# KiCad board panel_rp2350_20x20_temp.kicad_pcb (continued)
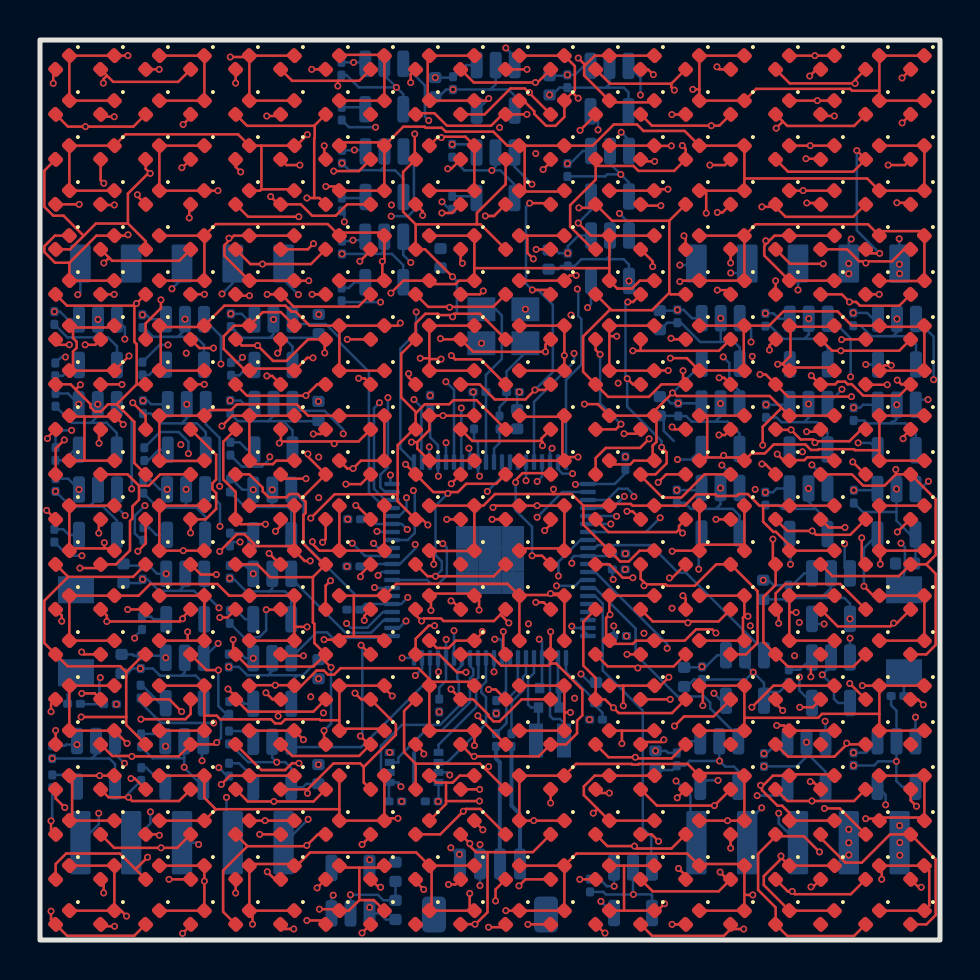
[diagram p0: board, top side]
## Routing (per net, layer and track width the routed paths; a pad name or vN(x,y) marks a point on that pad's centre or on a via; arc(x,y) is an arc through that point) (continued)
  Bottom w0.127: v1(18.81,31.4) 18.81,30.36 18.02,29.57 18.02,24.58 U2.21 ; 23.73,43.74 23.73,44.16 v1(23.29,44.6)
/drivers/ROW_MCU_01: length 28.1
  In3.Cu w0.127: v1(18.7,27.02) 18.7,27.6 19.5,28.4 19.5,37.14 v1(22.98,40.62)
  In4.Cu w0.127: v1(22.98,40.62) 26.6,40.62 28.23,42.25 v1(30.02,42.25)
  Bottom w0.127: U24.3 30.02,43.11 v1(30.02,42.25) ; v1(18.7,27.02) 19.07,26.65 19.07,23.93 U2.22
/drivers/ROW_MCU_02: length 23.6
  In3.Cu w0.127: v1(24.79,39.32) 24.79,38.11 24.96,37.94 24.96,36.81 24.09,35.93 24.09,32.46 20.93,29.31 20.93,29.07 20.67,28.81 20.67,25.86 v1(19.46,24.65)
  In4.Cu w0.127: v1(24.79,39.32) 27.99,39.32 v1(29.06,40.39)
  Bottom w0.127: U25.3 29.45,40 v1(29.06,40.39) ; U2.23 19.46,23.93 v1(19.46,24.65)
/drivers/ROW_MCU_03: length 26.2
  In4.Cu w0.127: v1(40.53,28.16) 39.38,28.16 38.97,27.75 33.72,27.75 33.49,27.98 29.92,27.98 27.72,25.77 21.21,25.77 v1(20.3,24.86)
  Bottom w0.127: U26.3 39.56,31.06 40.53,30.09 v1(40.53,28.16) ; v1(20.3,24.86) 20.3,24.86 U2.25
/drivers/ROW_MCU_04: length 21.8
  In4.Cu w0.127: v1(20.29,27.91) 20.76,27.91 22.67,29.82 29.04,29.82 29.12,29.9 31.22,29.9 31.4,29.72 35.38,29.72 v1(35.55,29.9)
  Bottom w0.127: v1(35.55,29.9) 35.55,30.52 U27.3 ; v1(20.29,27.91) 20.7,27.51 U2.26
/drivers/ROW_MCU_05: length 17.3
  In3.Cu w0.127: v1(28.98,36.33) 28.98,34.13 26.65,31.81 26.53,31.81 26.18,31.47 26.18,31.34 21.44,26.6 v1(21.07,26.6)
  Bottom w0.127: v1(21.07,26.6) 21.07,23.93 U2.27 ; U28.3 29.45,35.85 v1(28.98,36.33)
/drivers/ROW_MCU_06: length 21.8
  In4.Cu w0.127: v1(21.45,24.59) 22.38,25.52 27.82,25.52 30.02,27.72 33.38,27.72 33.61,27.49 40.05,27.49 v1(40.1,27.54)
  Bottom w0.127: v1(21.45,24.59) 21.5,24.54 U2.28 ; v1(40.1,27.54) 40.1,27.52 U29.3
/drivers/ROW_MCU_07: length 16.9
  In4.Cu w0.127: v1(34.16,29.15) 33.85,29.46 30.39,29.46 29.84,28.92 27.12,28.92 v1(26.7,29.33)
  Bottom w0.127: v1(34.16,29.15) 34.47,28.85 34.47,27.96 34.97,27.45 U30.3 ; v1(26.7,29.33) 26.7,28.91 24.7,26.9 U2.36
/drivers/ROW_MCU_08: length 27.4
  In4.Cu w0.127: v1(44.68,28.02) 42.53,25.87 42.53,25.24 40.55,23.25 27.82,23.25 26.74,22.17 25.52,22.17 24.86,22.84 v1(24.86,22.93)
  Bottom w0.127: U2.37 25.1,23.17 v1(24.86,22.93) ; v1(44.68,28.02) 44.68,30.17 U31.3
/drivers/ROW_MCU_09: length 16.3
  In4.Cu w0.127: v1(25.6,24.59) 25.87,24.86 30.14,24.86 30.3,24.69 30.61,24.69 30.95,25.03 31.2,25.03 31.36,24.87 35.75,24.87 35.98,25.11 36.91,25.11 38.26,23.76 v1(38.59,23.76)
  Bottom w0.127: U2.38 25.5,24.49 v1(25.6,24.59) ; v1(38.59,23.76) 39.38,22.98 U32.3
/drivers/ROW_MCU_10: length 10.3
  In4.Cu w0.127: v1(34.09,23.74) 34.01,23.66 26.97,23.66 v1(26.63,23.32)
  Bottom w0.127: U2.39 25.9,23.54 26.13,23.32 v1(26.63,23.32) ; v1(34.09,23.74) 34.97,22.86 U33.3
/drivers/ROW_MCU_11: length 20.4
  In4.Cu w0.127: v1(28.83,21.18) 28.94,21.07 30.45,21.07 31.25,21.87 39.53,21.87 42.79,25.13 42.79,25.4 v1(44.4,27.02)
  Bottom w0.127: U34.3 44.04,27.02 v1(44.4,27.02) ; U2.45 28.82,21.2 v1(28.83,21.18)
/drivers/ROW_MCU_12: length 14.9
  In4.Cu w0.127: v1(40.23,19.81) 40.09,19.68 32.25,19.68 31.87,20.06 31.54,20.06 30.8,20.8 v1(28.54,20.8)
  Bottom w0.127: v1(40.23,19.81) 40.23,18.6 U35.3 ; U2.46 v1(28.54,20.8)
/drivers/ROW_MCU_13: length 18.9
  In4.Cu w0.127: v1(31.01,21.11) 31.39,21.49 42.98,21.49 v1(44.42,22.94)
  Bottom w0.127: v1(44.42,22.94) 44.04,22.55 U36.3 ; v1(31.01,21.11) 30.3,20.4 U2.47
/drivers/ROW_MCU_14: length 19.6
  In4.Cu w0.127: v1(25.92,18.2) 26.82,17.31 29.6,17.31 31.92,14.99 40.39,14.99 v1(40.5,15.09)
  Bottom w0.127: U37.3 v1(40.5,15.09) ; U2.48 27.01,20 25.92,18.91 v1(25.92,18.2)
/drivers/ROW_MCU_15: length 11.3
  Bottom w0.127: U2.49 27.75,19.6 27.89,19.74 30.54,19.74 31.91,18.37 32.29,18.37 36.2,14.46 U38.3
/drivers/ROW_MCU_16: length 20.7
  In4.Cu w0.127: v1(43.78,11.14) 40.33,14.59 v1(31.36,14.59)
  Bottom w0.127: U39.3 v1(43.78,11.14) ; v1(31.36,14.59) 31.36,14.8 27.76,18.4 U2.52
/drivers/ROW_MCU_17: length 20.6
  In3.Cu w0.127: v1(39.25,10.94) 39.25,11.34 37.61,12.99 37.61,14.09 v1(37.73,14.21)
  In4.Cu w0.127: v1(25.83,17.71) 26.51,17.02 29.08,17.02 30.91,15.19 30.91,14.43 31.13,14.21 v1(37.73,14.21)
  Bottom w0.127: U2.53 27.05,18 26.75,17.71 v1(25.83,17.71) ; v1(39.25,10.94) 39.28,10.92 U40.3
/drivers/ROW_MCU_18: length 11.8
  Bottom w0.127: U41.3 34.91,10.18 33.51,11.58 33.51,11.87 33.2,12.18 31.88,12.18 29.78,14.28 29.78,15.57 27.75,17.6 U2.54
/drivers/ROW_MCU_19: length 15.1
  Bottom w0.127: U42.3 30.56,3.66 30.56,5.16 30.14,5.59 30.14,11.47 28.14,13.48 28.14,16.82 27.76,17.2 U2.55
/panel_header/CS0: length 28.9
  In3.Cu w0.127: v1(14.17,11.35) 13.55,10.74 13.55,7.79 13.79,7.56 13.79,6.42 v1(13.41,6.04) ; v1(24.85,21.14) 24.05,20.33 24.05,16.18 v1(24.42,15.81)
  In4.Cu w0.127: v1(24.42,15.81) 24.42,15.73 20.86,12.17 20.31,12.17 19.88,12.6 16.61,12.6 15.36,11.35 v1(14.17,11.35)
  Bottom w0.127: v1(13.41,6.04) 12.24,4.86 J3.5 ; v1(24.85,21.14) 26.12,22.4 U2.42
/panel_header/CS1: length 31.5
  In3.Cu w0.127: v1(12.92,32.27) 12.92,19.03 13.72,18.23 13.72,15.5 13.54,15.32 v1(13.54,12.16)
  In4.Cu w0.127: v1(9.32,7.13) 13.54,11.34 v1(13.54,12.16)
  Bottom w0.127: v1(9.32,7.13) 9.32,5.18 J3.4 ; v1(12.92,32.27) 12.18,33.01 J5.5
/panel_header/CS2: length 34.4
  In3.Cu w0.127: v1(9.1,32.3) 9.1,31.65 6.66,29.21 6.66,24.11 4.14,21.59 4.11,21.59 3.89,21.38 3.89,21.07 3.97,21 3.97,12.63 3.42,12.08 3.42,11.67 7.93,7.15 v1(7.93,4.78)
  Bottom w0.127: v1(9.1,32.3) 9.64,32.84 J5.4 ; J3.3 7.84,4.86 v1(7.93,4.78)
/panel_header/CS4: length 32
  In3.Cu w0.127: v1(5.52,6.41) 5.52,6.58 3.86,8.24 3.86,10.57 3.16,11.27 3.16,12.36 3.71,12.91 3.71,20.9 3.64,20.97 3.64,27.83 5.55,29.74 5.55,30.1 6.41,30.96 6.41,32.37 v1(6.6,32.56)
  Bottom w0.127: J5.3 7.1,33.06 v1(6.6,32.56) ; J3.2 5.52,5.82 v1(5.52,6.41)
/panel_header/EINT: length 29.8
  In3.Cu w0.127: v1(1.89,32.27) 1.89,32.27 1.89,29.38 2.46,28.81 2.46,6.81 v1(2.94,6.34)
  Bottom w0.127: v1(1.89,32.27) 2.02,32.4 J5.1 ; J3.1 2.94,5.78 v1(2.94,6.34)
/panel_header/MISO: length 34.9
  In3.Cu w0.127: 29.77,22.61 29.52,22.61 29.22,22.31 v1(29.22,22.18) ; 29.77,22.61 30.07,22.31 30.07,20.81 30.52,20.37 30.52,17.96 30.65,17.82 30.65,11.12 31.8,9.97 v1(31.8,7.95) ; 29.77,22.61 29.92,22.76 29.92,24.71 29.84,24.8 29.84,25.31 30.01,25.49 30.01,29.54 30.26,29.79 30.26,32.01 v1(31.99,33.75)
  Bottom w0.127: J4.1 32.74,33.75 v1(31.99,33.75) ; U2.44 28.63,21.6 v1(29.22,22.18) ; J2.1 32.52,5.16 32.52,7.23 v1(31.8,7.95)
/panel_header/MOSI: length 47.7
  In3.Cu w0.127: v1(36.08,6.61) 35.95,6.61 34.91,7.65 34.91,12.37 35.03,12.5 35.03,32.86 v1(34.54,33.35)
  In4.Cu w0.127: v1(26.87,32.55) 33.33,32.55 34.13,33.35 v1(34.54,33.35)
  Bottom w0.127: v1(26.87,32.55) 26.91,32.5 26.91,31.2 27.07,31.05 27.07,28.77 26.3,28 U2.40 ; v1(34.54,33.35) 34.89,33.35 J4.2 ; v1(36.08,6.61) 35.36,5.88 J2.2
/panel_header/SCK: length 39.7
  In3.Cu w0.127: v1(36.94,6.34) 36.94,10.11 36.4,10.65 36.4,17.15 35.76,17.79 v1(35.76,22.53) 35.76,22.56 37.92,24.72 37.92,32.48 v1(37.9,32.5)
  In4.Cu w0.127: v1(35.76,22.53) 35.36,22.13 29.73,22.13 v1(29.69,22.17)
  Bottom w0.127: J2.3 36.94,5.83 v1(36.94,6.34) ; U2.43 28.36,22 28.92,22.56 29.38,22.56 29.69,22.25 v1(29.69,22.17) ; v1(37.9,32.5) J4.3
/panel_mcu/D+: length 6
  Bottom w0.2: R7.1 22.8,9.07 22.99,8.88 22.99,3.81 J1.3
/panel_mcu/D-: length 6.1
  Bottom w0.2: J1.4 24,6.29 23.58,6.72 R8.1
/panel_mcu/QSPI_SCLK: length 6.7
  Bottom w0.127: U1.6 20.36,8.88 22.3,10.82 22.3,12.14 22.07,12.37 22.07,12.68 22.3,12.91 U2.71
/panel_mcu/QSPI_SD0: length 5.6
  Bottom w0.127: U1.5 19.92,9.76 21.81,11.65 21.81,13.03 21.92,13.13 21.92,14.08 U2.72
/panel_mcu/QSPI_SD1: length 9
  Bottom w0.127: U2.74 21.1,13.74 20.87,13.5 20.87,13.05 20.94,12.98 20.94,11.69 20.01,10.76 18.1,10.76 17.05,9.71 17.05,8.38 U1.2
/panel_mcu/QSPI_SD2: length 7.8
  Bottom w0.127: U2.73 21.5,13.71 21.67,13.54 21.67,13.24 21.5,13.07 21.5,11.89 20.1,10.49 19.28,10.49 17.92,9.13 17.92,8.88 U1.3
/panel_mcu/QSPI_SD3: length 7.4
  In3.Cu w0.127: v1(22.7,13.41) 20.92,11.63 20.92,8.68 v1(20.49,8.25)
  Bottom w0.127: U1.7 20.36,8.38 20.36,8.38 v1(20.49,8.25) ; U2.70 v1(22.7,13.41)
/panel_mcu/QSPI_SS: length 22.5
  In4.Cu w0.127: v1(20.7,15.47) 20.16,15.47 20.04,15.35 18.8,15.35 17.45,14 14.28,14 14.13,13.84 11.9,13.84 11.17,13.12 v1(3.02,13.12)
  Bottom w0.127: R3.1 2.04,11.79 2.97,11.79 ; v1(3.02,13.12) 2.97,13.07 2.97,11.79 ; 2.97,11.79 R4.2 ; U2.75 v1(20.7,15.47)
/panel_mcu/RUN: length 23.8
  In4.Cu w0.127: v1(24.3,22.97) 27.27,20 31.24,20 31.43,19.81 31.76,19.81 32.14,19.42 42.63,19.42 v1(43.05,19.84)
  Bottom w0.127: U2.35 v1(24.3,22.97) ; SW2.2 43.2,18.38 43.25,18.42 43.25,19.64 v1(43.05,19.84)
/panel_mcu/VREG_AVDD: length 3.8
  Bottom w0.127: R6.2 28.12,11.36 27.8,11.68 C7.1 26.79,12.93 26.78,12.93 26.3,13.41 U2.61
/panel_mcu/VREG_LX: length 4.6
  Bottom w0.127: U2.63 25.5,11.2 25.65,11.05 26,11.05 26.2,10.85 L1.2
/panel_mcu/XIN: length 8.8
  Bottom w0.127: 22.3,27.5 22.3,27.4 22.3,27.39 U2.30 ; 22.3,27.5 22.3,28.25 23.09,29.05 23.09,31.23 22.78,31.54 Y1.1 ; 22.3,27.5 22.3,27.5
/panel_mcu/XIP_CS1n: length 9.4
  In3.Cu w0.127: v1(18.05,7.67) 18.14,7.67 20.35,9.87 20.35,12.07 19.93,12.49 v1(19.93,13.41)
  Bottom w0.127: U1.1 17.64,7.88 ; 17.64,7.88 17.44,7.69 17.44,6.93 ; 17.64,7.88 17.92,7.88 17.92,7.79 v1(18.05,7.67) ; U2.77 19.9,13.43 v1(19.93,13.41)
/panel_mcu/XOUT: length 1.8
  Bottom w0.127: R5.1 22.97,24.85 22.7,24.58 U2.31
/panel_mcu/~{USB_BOOT}: length 1.7
  Bottom w0.127: SW1.2 1.8,12.7 1.38,12.28 R3.2
Net-(C2-Pad1): length 4.2
  Bottom w0.127: Y1.3 24.27,29.37 23.33,28.42 C2.1 23.33,27 22.97,26.65 R5.2
Net-(D1-A): length 114
  Top w0.127: v1(0.55,11.42) 0.55,11.8 D8.2 ; D4.2 0.78,29.76 v1(1.47,29.76) ; D7.2 1.09,16.23 v1(1.09,15.94) ; D19.2 5.28,38.56 v1(5.51,38.33) 5.41,38.33 4.4,37.32 4.4,35.82 ; D20.2 v1(5.96,43.53) ; D14.2 5.28,16.53 v1(4.39,16.53) ; D10.2 0.78,3.8 1.31,4.32 3.99,4.32 4.78,3.54 ; 2.18,35.21 1.18,36.22 0.66,36.22 0.22,36.66 0.22,38.47 D2.2 ; 2.18,35.21 1.5,34.53 D3.2 ; 2.18,35.21 2.8,35.82 4.4,35.82 ; 4.4,35.82 5.28,34.94 D18.2 ; D6.2 v1(0.33,21.48) ; D16.2 5.28,26.22 v1(4.64,26.86) ; D12.2 4.74,8.08 v1(4.55,8.08) ; v1(1.24,6.62) 0.78,7.08 D9.2 ; 4.78,3.54 v1(5.38,4.14) ; 4.78,3.54 D11.2 ; D13.2 6.47,12.03 v1(7.08,11.42) ; D1.2 0.66,43.41 v1(0.66,42.83) ; D5.2 0.37,25.12 v1(0.37,25.07) ; D17.2 5.28,30.83 6.05,31.59 v1(6.05,32.01) ; v1(4.89,19.44) 5.28,19.83 D15.2
  In3.Cu w0.127: v1(4.89,19.44) 4.39,18.93 v1(4.39,16.53) ; 0.41,21.48 1.09,20.8 v1(1.09,15.94) 0.55,15.41 v1(0.55,11.42) ; 0.41,21.48 0.41,25.07 ; 0.41,21.48 v1(0.33,21.48) ; v1(6.05,32.01) 6.05,37.79 v1(5.51,38.33) 5.51,43.08 v1(5.96,43.53) ; 0.41,25.07 v1(0.37,25.07) ; 0.41,25.07 0.41,27.67 1.64,28.9 1.64,29.59 v1(1.47,29.76) ; v1(4.55,8.08) 5.92,6.71 5.92,6.21 5.38,5.68 v1(5.38,4.14) ; v1(8.94,8.62) 8.94,9.04 7.08,10.9 v1(7.08,11.42)
  In4.Cu w0.127: v1(5.96,43.53) 1.36,43.53 v1(0.66,42.83) ; v1(6.05,32.01) 5.83,32.22 4.63,32.22 2.54,30.13 1.84,30.13 v1(1.47,29.76) ; v1(1.24,6.62) 1.24,7.11 3.17,9.03 ; 3.17,9.03 0.78,11.42 v1(0.55,11.42) ; 3.17,9.03 4.12,8.08 v1(4.55,8.08) 8.4,8.08 v1(8.94,8.62) ; v1(1.09,15.94) 1.67,16.53 v1(4.39,16.53) ; v1(4.64,26.86) 3.68,26.86 3.13,26.31 1.61,26.31 v1(0.37,25.07)
  Bottom w0.127: R9.2 9.36,8.19 v1(8.94,8.62)
Net-(D21-A): length 111.3
  Top w0.127: v1(8.67,29.6) 7.97,29.6 D37.2 ; D34.2 7.13,16.13 v1(7.13,16.06) 6.99,15.93 v1(3.34,15.93) 3.34,16.22 D27.2 ; 3.34,43.22 3.66,42.91 6.91,42.91 D40.2 ; 3.34,43.22 3.17,43.04 v1(3.17,42.85) ; 3.34,43.22 D21.2 ; D30.2 3.18,2.88 v1(3.18,2.35) ; D24.2 2.76,29.76 v1(2.26,29.76) ; D36.2 8.81,24.26 8.81,23.02 8.62,22.84 8.62,22.53 8.81,22.35 8.81,21.56 8.28,21.03 D35.2 7.53,20.36 v1(7.53,20.35) ; v1(2.09,12.33) 2.74,12.33 D28.2 ; 3.45,34.11 D23.2 ; 3.45,34.11 v1(3.19,33.85) ; 3.45,34.11 3.61,33.96 6.96,33.96 D38.2 ; v1(5.04,11.04) 7.27,11.04 7.53,11.3 D33.2 ; D22.2 3.03,38 v1(3.19,37.84) ; D26.2 2.94,20.94 v1(2.94,20.34) ; D29.2 3.43,7.14 v1(4.42,7.14) 4.6,6.95 6.95,6.95 D32.2 ; v1(2.95,24.84) 2.95,25.45 D25.2 ; D39.2 7.11,38.61 v1(7.09,38.61) ; D31.2 v1(6.45,3.03)
  In3.Cu w0.127: v1(3.34,15.93) 3.39,15.88 3.39,12.95 2.88,12.44 2.88,11.03 3.49,10.42 3.49,8.06 v1(4.42,7.14) 4.42,3.59 v1(3.18,2.35) ; v1(3.17,42.85) 3.19,42.82 v1(3.19,37.84) v1(3.19,33.85) 2.26,32.92 v1(2.26,29.76) 3.29,28.73 3.29,25.18 v1(2.95,24.84) 2.94,24.83 v1(2.94,20.34) ; v1(7.53,20.35) 7.53,16.46 v1(7.13,16.06)
  In4.Cu w0.127: v1(7.53,20.35) 7.52,20.34 v1(2.94,20.34) ; v1(7.09,38.61) 7.01,38.7 4.05,38.7 v1(3.19,37.84) ; v1(5.04,11.04) 3.37,11.04 v1(2.09,12.33) 1.69,12.72 1.69,14.55 3.07,15.93 v1(3.34,15.93) ; v1(2.26,29.76) 3.32,28.7 7.77,28.7 v1(8.67,29.6) ; v1(3.18,2.35) 5.77,2.35 v1(6.45,3.03)
  Bottom w0.127: v1(4.42,7.14) 4.42,7.33 R10.2
Net-(D41-A): length 104.9
  Top w0.127: D53.2 4.31,10.75 4.31,11.15 ; 4.31,13.4 5.2,14.28 D54.2 ; 4.31,13.4 4.02,13.69 1.37,13.69 D47.2 0.22,14.85 0.22,16.97 1.41,18.16 ; 4.31,13.4 4.31,11.15 4.31,11.15 ; 4.72,31.72 1.35,31.72 D43.2 ; 4.72,31.72 v1(4.82,31.82) D58.2 ; 4.72,31.72 4.72,29.91 4.84,29.79 4.84,27.78 ; 3.84,26.78 4.72,25.91 4.72,23.85 D56.2 ; 3.84,26.78 4.84,27.78 ; 3.84,26.78 3.4,26.78 3.04,26.42 2.74,26.42 2.52,26.64 2.52,26.79 1.78,27.53 ; D49.2 0.55,5.51 v1(0.55,5.95) ; v1(1.22,25) 0.78,24.57 D45.2 ; 4.31,11.15 v1(2.06,11.15) ; D52.2 5.92,5.28 v1(5.97,5.24) ; D42.2 v1(1.96,36.78) ; 4.84,27.78 D57.2 ; v1(4.87,37.26) 4.87,37.19 D59.2 ; 1.78,27.53 1.53,27.78 D44.2 ; 1.78,27.53 v1(2.02,27.76) ; 1.41,18.16 4.66,18.16 D55.2 ; 1.41,18.16 D46.2 ; D48.2 v1(0.78,10.48) ; D60.2 4.67,40.67 v1(2.27,40.67) 1.4,40.67 D41.2 ; v1(0.55,1.44) 0.55,1.01 D50.2 1.35,0.21 4.71,0.21 D51.2
  In3.Cu w0.127: v1(4.82,31.82) 4.87,31.87 v1(4.87,37.26) ; v1(2.02,27.76) 1.22,26.96 v1(1.22,25) 1.22,22.5 1.59,22.13 1.59,11.62 v1(2.06,11.15) 1.38,10.48 1.01,10.48 ; v1(1.96,36.78) 1.96,40.36 v1(2.27,40.67) ; 1.01,10.48 v1(0.78,10.48) ; 1.01,10.48 1.01,6.91 0.55,6.45 v1(0.55,5.95) v1(0.55,1.44)
  In4.Cu w0.127: v1(5.97,5.24) 1.27,5.24 v1(0.55,5.95) ; v1(1.96,36.78) 2.44,37.26 v1(4.87,37.26)
  Bottom w0.127: R11.2 0.61,6.01 v1(0.55,5.95)
Net-(D61-A): length 109.9
  Top w0.127: D65.2 4.38,23.28 4.95,22.71 ; D62.2 3.06,36.75 v1(3.72,36.75) ; v1(7.46,36.1) 7.46,36.71 D79.2 ; D75.2 8.04,18.27 v1(8.82,18.27) ; v1(3.73,0.69) 3.13,0.69 D70.2 ; v1(3.71,41.16) 3.15,41.16 D61.2 ; v1(4.1,27.77) 4.09,27.78 D64.2 ; v1(8.92,13.5) 8.32,13.5 D74.2 ; v1(8.22,32.29) 7.54,32.29 D78.2 ; D69.2 3.71,4.61 v1(6.05,4.61) 6.86,4.61 D72.2 ; D80.2 7.53,41.15 v1(7.16,40.78) ; D76.2 6,23.28 5.43,22.71 4.95,22.71 ; v1(1.99,18.6) 2.85,18.6 D66.2 3.8,18.78 4.5,19.48 4.5,20.95 4.62,21.07 4.62,21.69 4.95,22.01 4.95,22.71 ; D68.2 3.61,9.2 4.57,9.2 v1(4.59,9.18) 6.93,9.18 D73.2 8.74,9.78 v1(8.84,9.88) ; D71.2 7.53,0.74 v1(7.13,0.33) ; v1(2.08,14.4) 2.2,14.28 D67.2 ; D77.2 v1(8.22,27.78) ; D63.2 v1(3.71,32.28)
  In3.Cu w0.127: v1(8.22,32.29) 7.62,32.89 7.46,32.89 ; v1(3.71,32.28) 3.72,32.29 v1(3.72,36.75) ; 7.46,32.89 v1(7.46,36.1) 7.46,40.47 v1(7.16,40.78) ; 7.46,32.89 6.67,32.1 6.67,30.68 5.9,29.91 5.9,29.57 v1(4.1,27.77) ; v1(1.99,18.6) 1.99,14.49 v1(2.08,14.4) ; v1(8.92,13.5) 8.54,13.87 8.54,17.99 v1(8.82,18.27) 8.22,18.87 v1(8.22,27.78) ; v1(4.59,9.18) 6.33,7.44 6.33,4.89 v1(6.05,4.61) 6.05,1.41 v1(7.13,0.33)
  In4.Cu w0.127: v1(3.71,41.16) 4.1,40.78 v1(7.16,40.78) ; v1(7.46,36.1) 4.37,36.1 v1(3.72,36.75) ; v1(8.92,13.5) 5.95,13.5 5.05,14.4 v1(2.08,14.4) ; v1(7.13,0.33) 4.08,0.33 v1(3.73,0.69) ; v1(4.1,27.77) 4.11,27.78 v1(8.22,27.78)
  Bottom w0.127: v1(8.84,9.88) 9.05,10.09 9.05,11.01 9.33,11.28 ; 9.33,11.28 9.46,11.28 ; 9.33,11.28 8.92,11.69 v1(8.92,13.5)
Net-(D100-A): length 106.2
  Top w0.127: D87.2 9.37,16.12 v1(8.99,16.12) ; D84.2 10.09,29.72 v1(10.88,29.72) 11.65,28.95 12.33,28.95 13.4,30.03 D97.2 14.24,29.99 v1(14.24,29.35) ; v1(9.78,42.85) D81.2 ; v1(9.4,12.55) 9.78,12.17 D88.2 10.4,11.42 11.91,11.42 ; D92.2 13.68,6.93 v1(11.7,6.93) 10.39,6.93 D89.2 ; 11.91,11.42 v1(11.91,11.2) ; 11.91,11.42 13.67,11.42 D93.2 ; D96.2 14.05,25.3 v1(13.66,25.3) ; D83.2 10.52,33.8 v1(11.12,33.8) 13.55,33.8 D98.2 ; D94.2 14.28,17.72 v1(14.53,17.96) ; v1(10.03,38.4) 9.78,38.66 D82.2 ; D85.2 9.16,24.91 9.16,23.02 9.78,22.4 D86.2 10.03,20.79 v1(11.27,20.79) ; v1(9.78,2.35) D90.2 ; v1(14.21,39.71) 14.21,39.1 D99.2 ; D100.2 v1(13.59,43.53) ; D95.2 14.28,20.04 v1(14.13,19.89) ; v1(13.86,2.61) D91.2
  In3.Cu w0.127: 11.45,10.85 v1(8.68,10.85) ; 11.45,10.85 11.45,7.17 11.64,6.99 ; 11.45,10.85 11.56,10.85 v1(11.91,11.2) ; v1(11.27,20.79) 11.27,20.19 10.04,18.97 10.04,17.18 v1(8.99,16.12) 9.29,15.82 9.29,14.8 9.81,14.29 9.81,12.95 v1(9.4,12.55) ; v1(9.78,42.85) 9.78,38.66 v1(10.03,38.4) 11.12,37.31 v1(11.12,33.8) 10.88,33.55 v1(10.88,29.72) ; 11.64,6.99 v1(11.7,6.93) ; 11.64,6.99 9.78,5.13 v1(9.78,2.35) ; v1(14.53,17.96) 14.13,18.36 v1(14.13,19.89) 14.31,20.07 14.31,24.65 v1(13.66,25.3) 14.29,25.93 14.29,29.3 v1(14.24,29.35)
  In4.Cu w0.127: v1(11.27,20.79) 11.28,20.8 13.25,20.8 14.13,19.92 v1(14.13,19.89) ; v1(13.59,43.53) 10.47,43.53 v1(9.78,42.85) ; v1(14.21,39.71) 11.34,39.71 v1(10.03,38.4) ; v1(13.86,2.61) 13.6,2.35 v1(9.78,2.35)
  Bottom w0.127: R13.2 5.03,11.88 6.06,10.85 v1(8.68,10.85)
Net-(D101-A): length 102.6
  Top w0.127: D104.2 12.03,29.49 v1(11.88,29.34) ; v1(13.67,34.82) 13.39,34.53 D103.2 ; 16.19,8.65 17.79,10.26 17.79,10.77 D113.2 16.06,12.03 v1(15.75,12.34) ; 16.19,8.65 16.19,7.88 D112.2 ; 16.19,8.65 16.01,8.83 14.68,8.83 13.38,7.53 ; 13.38,7.53 D109.2 ; 13.38,7.53 v1(13.38,7.34) ; v1(11.78,20.44) 12.03,20.69 D106.2 ; v1(17.03,2.64) 16.92,2.64 D111.2 ; 14.71,24.93 12.05,24.93 ; 14.71,24.93 15.93,24.93 D116.2 ; 14.71,24.93 v1(14.71,24.81) ; 12.05,24.93 v1(11.96,24.85) ; 12.05,24.93 12.05,25.52 D105.2 ; D102.2 12.32,38.75 v1(12.99,38.75) ; D110.2 11.74,3.03 v1(11.36,3.41) ; D119.2 15.95,38.45 v1(14.69,38.45) ; D118.2 16.53,34.48 v1(15.99,33.94) ; 14.89,42.96 v1(14.89,42.7) ; 14.89,42.96 12.61,42.96 D101.2 ; 14.89,42.96 15.96,42.96 D120.2 ; v1(15.79,21.73) 15.83,21.73 D115.2 ; D108.2 11.62,12.03 v1(11.3,12.36) ; D114.2 16.21,16.21 v1(16.21,15.98) ; v1(11.31,16.52) 12.02,16.52 D107.2 ; v1(15.36,30.03) D117.2
  In3.Cu w0.127: v1(14.89,42.7) 12.99,40.8 v1(12.99,38.75) 13.71,38.03 13.71,34.86 v1(13.67,34.82) 15.27,33.22 ; v1(13.38,7.34) 11.36,5.32 v1(11.36,3.41) ; v1(15.75,12.34) 15.66,12.43 15.66,15.43 v1(16.21,15.98) ; 15.27,33.22 15.35,33.14 15.35,30.04 v1(15.36,30.03) 14.71,29.38 v1(14.71,24.81) 14.71,23.95 15.79,22.87 v1(15.79,21.73) ; 15.27,33.22 v1(15.99,33.94) ; v1(11.3,12.36) 11.31,12.37 v1(11.31,16.52) 11.31,18.68 11.03,18.97 11.03,19.59 11.78,20.34 v1(11.78,20.44) 11.98,20.64 11.98,24.83 v1(11.96,24.85) 11.88,24.93 v1(11.88,29.34)
  In4.Cu w0.127: v1(11.31,16.52) 15.68,16.52 v1(16.21,15.98) ; v1(14.69,38.45) 14.39,38.75 v1(12.99,38.75) ; v1(11.36,3.41) 16.26,3.41 v1(17.03,2.64)
  Bottom w0.127: R14.2 10.18,15.14 10.97,15.14 11.31,15.48 v1(11.31,16.52)
Net-(D121-A): length 100.1
  Top w0.127: D140.2 13.71,40.71 ; 13.71,40.71 13.73,40.69 13.73,40.11 13.71,40.09 13.71,37.1 ; 13.71,40.71 10.35,40.71 D121.2 ; v1(13.34,0.98) 14.09,0.98 D131.2 ; v1(12.95,8.84) 12.6,8.84 12.26,8.5 11.07,8.5 D128.2 ; D132.2 13.89,5.28 v1(13.34,4.73) 13.3,4.69 10.37,4.69 ; 14.12,14.07 v1(14.55,13.63) ; 14.12,14.07 14.06,14.07 13.66,13.67 10.39,13.67 D127.2 9.66,14.41 v1(9.66,15.02) ; 14.12,14.07 14.12,14.12 D134.2 13.72,14.84 13.72,15.81 13.64,15.88 13.64,18.14 ; D122.2 10.4,36.16 v1(12.94,36.16) ; 10.37,4.69 9.16,3.47 9.16,1.41 D130.2 ; 10.37,4.69 D129.2 ; 13.09,22.09 12.89,22.3 12.48,22.3 12.32,22.14 11.44,22.14 11.14,22.43 11.14,22.61 10.47,23.28 D125.2 ; 13.09,22.09 13.28,21.9 13.28,21.36 13.17,21.25 13.17,19.81 14.2,18.78 D135.2 13.64,18.14 ; 13.09,22.09 D136.2 13.4,24.17 v1(13.4,24.3) ; D139.2 13.96,37.1 13.71,37.1 ; D137.2 13.86,27.78 v1(13.3,27.22) 13.29,27.21 10.35,27.21 D124.2 ; 13.71,37.1 v1(13.35,37.1) ; 13.64,18.14 11.5,18.14 10.86,18.78 D126.2 ; D123.2 9.85,32.21 v1(10.47,32.21) ; v1(14.2,10.47) 14.2,9.86 D133.2 ; D138.2 v1(13.6,32.28)
  In3.Cu w0.127: v1(13.35,37.1) 12.94,36.69 v1(12.94,36.16) 12.94,32.94 v1(13.6,32.28) 13.28,31.97 13.28,27.23 v1(13.3,27.22) 13.3,24.4 v1(13.4,24.3) ; v1(14.2,10.47) 14.33,10.34 14.33,5.72 v1(13.34,4.73) v1(13.34,0.98)
  In4.Cu w0.127: v1(14.2,10.47) 13.1,10.47 12.8,10.16 12.8,8.99 v1(12.95,8.84) ; v1(13.6,32.28) 13.17,31.85 10.84,31.85 v1(10.47,32.21) ; v1(9.66,15.02) 9.47,15.21 8.41,15.21 8.24,15.04 4.78,15.04 v1(4.73,15.09)
  Bottom w0.127: v1(4.73,15.09) 4.73,15.16 R15.2 ; v1(14.2,10.47) 14.55,10.82 v1(14.55,13.63)
Net-(D141-A): length 103.1
  Top w0.127: D154.2 16.51,14.28 v1(16.05,14.74) ; D144.2 11.61,28.2 v1(11.34,28.2) ; D152.2 16.53,5.21 v1(16.1,4.78) ; D148.2 12.61,9.2 15.95,9.2 D153.2 16.43,9.78 v1(16.02,10.2) ; D149.2 v1(10.98,5.28) ; v1(11.46,19.33) 12,18.78 D146.2 ; D157.2 16.23,28.08 v1(15.93,28.08) ; v1(16.02,18.16) 16.02,18.27 D155.2 ; v1(15.29,22.79) 16.04,22.79 D156.2 ; D141.2 11.95,41.2 v1(11.34,41.2) ; v1(11.36,32.28) D143.2 12.07,32.28 12.68,31.67 15.92,31.67 D158.2 ; v1(13.17,14.21) 12.1,14.21 D147.2 ; v1(16.1,0.35) D151.2 ; v1(11.53,37.17) 11.92,36.78 D142.2 13.04,36.78 13.61,36.21 14.79,36.21 15.36,36.78 D159.2 ; D150.2 12.26,0.55 v1(12.69,0.55) ; D145.2 12.25,23.07 v1(13.3,23.07)
  In3.Cu w0.127: v1(13.17,14.21) 12.99,14.39 12.99,17.8 v1(11.46,19.33) ; v1(10.98,5.28) 10.98,2.25 v1(12.69,0.55) ; 11.26,28.2 10,26.95 v1(10,19.9) ; 11.26,28.2 11.26,32.19 v1(11.36,32.28) 11.53,32.46 v1(11.53,37.17) 11.53,41 v1(11.34,41.2) ; 11.26,28.2 v1(11.34,28.2) ; v1(15.29,22.79) 15.01,22.51 15.01,19.77 16.02,18.75 v1(16.02,18.16) 16.02,17.69 16.58,17.14 16.58,15.83 16.05,15.3 v1(16.05,14.74) ; v1(16.1,0.35) v1(16.1,4.78) 16.1,10.11 v1(16.02,10.2)
  In4.Cu w0.127: v1(12.69,0.55) 12.89,0.35 v1(16.1,0.35) ; v1(15.93,28.08) 11.46,28.08 v1(11.34,28.2) ; v1(13.3,23.07) 13.57,22.79 v1(15.29,22.79) ; v1(10,19.9) 10.89,19.9 v1(11.46,19.33) 12.62,19.33 13.36,18.59 14.62,18.59 15.05,18.16 v1(16.02,18.16)
  Bottom w0.127: v1(10,19.9) 9.69,19.9 9.5,19.7 ; v1(16.05,14.74) 16.11,14.68 16.11,10.3 v1(16.02,10.2)
Net-(D161-A): length 117.4
  Top w0.127: D180.2 v1(24.35,43.53) ; D173.2 22.79,12.53 v1(22.43,12.53) ; 18.78,8.82 D169.2 ; 18.78,8.82 18.2,9.4 18.2,11.45 D168.2 ; 18.78,8.82 22,8.82 22.29,8.53 ; D167.2 18.78,16.25 v1(19.08,15.95) 19.21,16.08 20.04,16.08 20.18,15.95 22.7,15.95 23.02,16.27 ; D177.2 22.01,31.31 20.69,31.31 20.63,31.25 ; v1(19.39,20.75) 19.11,21.03 D166.2 17.87,21.94 17.87,22.29 ; 18.82,26.37 19.24,26.79 20.46,26.79 20.66,26.99 21.82,26.99 D176.2 ; 18.82,26.37 18.06,27.13 18.06,29.31 D164.2 18.78,30.83 19.26,31.31 19.9,31.31 19.96,31.25 20.63,31.25 ; 18.82,26.37 18.78,26.33 D165.2 18.68,25.53 17.89,24.74 17.89,22.3 17.87,22.29 ; 20.63,31.25 v1(20.63,31.16) ; 18.78,35.78 D163.2 19.25,34.53 v1(20.63,33.16) ; 18.78,35.78 18.16,36.41 18.16,38.41 D162.2 18.74,39.08 v1(18.74,40.3) ; 18.78,35.78 21.85,35.78 ; D178.2 22.03,35.78 21.85,35.78 ; D161.2 18.53,43.28 v1(18.53,42.87) ; v1(23.44,15.85) 23.02,16.27 ; 23.02,16.27 D174.2 ; 17.87,22.29 14.73,22.29 v1(13.54,21.09) ; D171.2 22.78,2.53 v1(22.78,1.95) ; 22.29,8.53 D172.2 ; 22.29,8.53 v1(22.43,8.67) ; v1(19.19,2.53) 18.78,2.93 D170.2 ; 21.85,35.78 21.85,36.35 23.28,37.79 D179.2 ; D175.2 v1(22.6,21.03)
  In3.Cu w0.127: v1(18.53,42.87) 18.53,40.51 v1(18.74,40.3) ; v1(19.08,15.95) 19.13,15.99 19.13,20.48 v1(19.39,20.75) 20.05,21.41 22.23,21.41 v1(22.6,21.03) ; v1(22.78,1.95) 22.78,8.32 v1(22.43,8.67) v1(22.43,12.53)
  In4.Cu w0.127: v1(23.44,15.85) 23.77,16.18 24.57,16.18 24.84,15.91 24.84,15.7 24.09,14.95 24.09,14.18 v1(22.43,12.53) ; v1(24.35,43.53) 19.2,43.53 v1(18.53,42.87) ; v1(5.25,21.72) 9.15,21.72 9.6,21.28 13.35,21.28 v1(13.54,21.09) ; v1(19.19,2.53) 19.76,1.95 v1(22.78,1.95)
  Bottom w0.127: v1(5.25,21.72) 4.74,21.22 4.74,20.33 5.09,19.98 5.17,19.98 ; v1(20.63,33.16) 20.85,32.94 20.85,31.37 v1(20.63,31.16)
Net-(D181-A): length 124.8
  Top w0.127: D196.2 25.07,25.07 25.07,24.95 ; v1(20.55,16.95) 20.61,16.95 D187.2 ; D193.2 24.08,12.03 22.98,10.93 22.68,10.93 22.43,11.18 22.43,11.26 21.66,12.03 D188.2 21.03,12.06 v1(20.55,12.54) ; 25.07,24.95 25.13,24.9 v1(25.13,24.72) ; 25.07,24.95 21.61,24.95 D185.2 ; v1(20.39,38.56) 20.56,38.56 D182.2 ; D197.2 25.28,29.78 v1(25.28,29.41) 21.65,29.41 D184.2 20.06,30.03 v1(20.02,30.07) ; D199.2 25.53,38.9 v1(25.15,38.53) ; v1(24.79,16.88) 25.18,16.88 D194.2 ; D186.2 v1(20.34,21.03) ; D195.2 25.53,20.77 v1(25.23,20.47) ; D190.2 20.78,2.78 v1(20.42,2.78) ; D189.2 v1(21.98,7.53) ; D191.2 24.27,3.03 v1(23.95,2.71) ; D198.2 v1(24.81,34.53) ; D192.2 v1(25.53,6.85) ; D200.2 24.88,42.88 v1(24.77,42.88) 21.69,42.88 D181.2 ; v1(21.12,33.84) 21.03,33.93 D183.2
  In3.Cu w0.127: v1(20.34,21.03) 20.55,20.82 v1(20.55,16.95) ; v1(24.77,42.88) 24.84,42.81 24.84,42.27 25.15,41.95 v1(25.15,38.53) 25.22,38.47 25.22,34.94 v1(24.81,34.53) ; v1(25.28,29.41) 25.28,24.87 v1(25.13,24.72) 25.23,24.61 v1(25.23,20.47) 25.23,17.54 25.16,17.47 25.16,17.26 v1(24.79,16.88) ; v1(20.55,12.54) 20.63,12.46 20.63,8.97 20.09,8.42 20.09,7.61 20.3,7.4 20.3,5.32 20.11,5.14 20.11,3.09 v1(20.42,2.78) ; v1(21.12,33.84) 20.79,33.84 20.01,33.06 20.01,30.08 v1(20.02,30.07) ; v1(23.95,2.71) 25.53,4.29 v1(25.53,6.85)
  In4.Cu w0.127: v1(2.1,19.21) 4.33,16.98 18.02,16.98 18.24,16.76 19.32,16.76 19.51,16.95 v1(20.55,16.95) 20.89,16.95 21.1,16.74 ; 21.1,16.74 21.1,13.71 20.55,13.16 v1(20.55,12.54) ; 21.1,16.74 21.24,16.88 v1(24.79,16.88) ; v1(21.12,33.84) 21.81,34.53 v1(24.81,34.53) ; v1(20.39,38.56) 20.84,38.11 24.4,38.11 24.82,38.53 v1(25.15,38.53) ; v1(25.53,6.85) 24.85,7.53 v1(21.98,7.53) ; v1(20.42,2.78) 20.79,3.14 23.51,3.14 v1(23.95,2.71)
  Bottom w0.127: R18.2 1.4,19.21 v1(2.1,19.21)
